# Altium PCB PCB_Ruler_v2.0.PcbDoc (part 3 of 3)
Units mm, origin at the board's own origin, x right, y up, seen from the top; angles counter-clockwise.
Board outline 210.01 x 40 mm, 2 copper layers (Top Layer, Bottom Layer); 1 components, 0 nets, 962 pads, 0 vias.
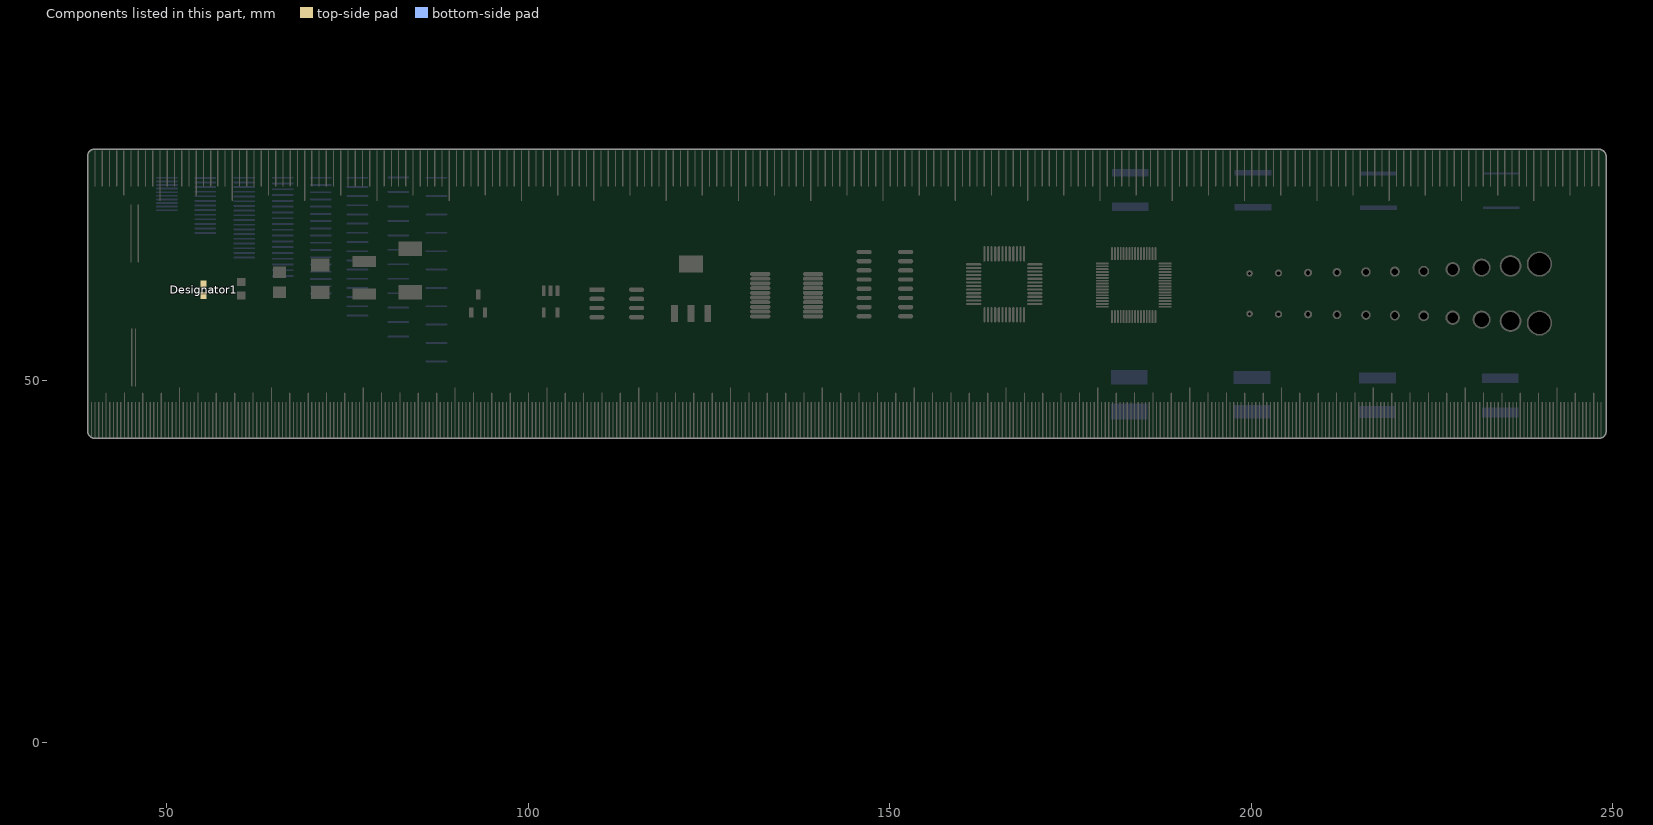
[diagram p3: the components of this part, seen from the top]

## Nets (pads, with @x,y where several pads share a name; then routed paths per layer and width w, separated by ;. In a path a pad name is that pad's centre, name@x,y a point inside that pad or via, vN(x,y) a via of type N, cw(c..) or ccw(c..) an arc to the next point about the centre after c; other vN are vias at no path point) (continued)
copper on no net: (continued)
  Bottom Layer w0.051: 145.034,69.961 145.238,69.961 ; 145.034,70.012 145.187,70.012 ; 145.034,73.568 145.441,73.568 ; 145.034,74.228 145.441,74.228 ; 145.085,70.062 145.187,70.062 ; 145.085,70.113 145.187,70.113 ; 145.085,70.164 145.187,70.164 ; 145.085,70.215 145.187,70.215 ; 145.085,70.266 145.187,70.266 ; 145.085,70.316 145.187,70.316 ; 145.085,70.367 145.238,70.367 ; 145.085,70.418 145.339,70.418 ; 145.085,72.298 145.238,72.298 ; 145.136,74.177 145.542,74.177 ; 145.187,72.247 145.441,72.247 ; 145.187,73.517 145.441,73.517 ; 145.187,74.126 145.695,74.126 ; 145.187,74.888 145.441,74.888 ; 145.238,71.891 145.441,71.891 ; 145.238,72.196 145.492,72.196 ; 145.238,72.755 145.441,72.755 ; 145.238,73.212 145.492,73.212 ; 145.238,73.466 145.441,73.466 ; 145.288,71.942 145.492,71.942 ; 145.288,73.415 145.492,73.415 ; 145.288,74.076 145.796,74.076 ; 145.339,69.961 145.593,69.961 ; 145.339,70.367 145.542,70.367 ; 145.339,71.993 145.593,71.993 ; 145.339,72.094 145.593,72.094 ; 145.339,72.145 145.593,72.145 ; 145.339,73.263 145.492,73.263 ; 145.339,73.314 145.492,73.314 ; 145.339,73.364 145.492,73.364 ; 145.339,74.838 145.542,74.838 ; 145.39,70.012 145.542,70.012 ; 145.39,70.062 145.542,70.062 ; 145.39,70.113 145.542,70.113 ; 145.39,70.164 145.542,70.164 ; 145.39,70.215 145.542,70.215 ; 145.39,70.266 145.542,70.266 ; 145.39,70.316 145.542,70.316 ; 145.39,70.418 145.542,70.418 ; 145.39,70.469 145.542,70.469 ; 145.39,70.52 145.542,70.52 ; 145.39,70.57 145.542,70.57 ; 145.39,70.621 145.542,70.621 ; 145.39,70.672 145.542,70.672 ; 145.39,70.723 145.593,70.723 ; 145.39,70.774 145.492,70.774 ; 145.39,72.044 145.644,72.044 ; 145.39,74.025 145.898,74.025 ; 145.441,73.974 146,73.974 ; 145.492,74.787 145.593,74.787 ; 145.542,73.923 146.152,73.923 ; 145.593,73.872 146.254,73.872 ; 145.695,70.012 145.847,70.012 ; 145.695,70.062 145.796,70.062 ; 145.695,70.113 145.746,70.113 ; 145.695,70.52 145.746,70.52 ; 145.695,70.57 145.746,70.57 ; 145.695,70.621 145.796,70.621 ; 145.695,70.672 145.847,70.672 ; 145.695,73.822 146.355,73.822 ; 145.746,69.961 146.101,69.961 ; 145.746,73.771 146.508,73.771 ; 145.796,70.723 146.101,70.723 ; 145.796,73.72 146.558,73.72 ; 145.847,73.669 146.508,73.669 ; 145.949,73.618 146.457,73.618 ; 146.05,70.012 146.203,70.012 ; 146.05,73.568 146.355,73.568 ; 146.101,70.672 146.203,70.672 ; 146.152,70.062 146.304,70.062 ; 146.152,70.113 146.304,70.113 ; 146.152,70.621 146.304,70.621 ; 146.203,70.164 146.355,70.164 ; 146.203,70.215 146.355,70.215 ; 146.203,70.52 146.355,70.52 ; 146.203,70.57 146.304,70.57 ; 146.254,70.266 146.406,70.266 ; 146.254,70.316 146.406,70.316 ; 146.254,70.367 146.406,70.367 ; 146.254,70.418 146.406,70.418 ; 146.254,70.469 146.355,70.469 ; 147.422,72.907 147.524,72.907 ; 147.422,72.958 147.524,72.958 ; 147.422,73.009 147.524,73.009 ; 147.422,73.06 147.524,73.06 ; 147.422,73.11 147.524,73.11 ; 147.473,72.399 147.574,72.399 ; 147.473,72.45 147.574,72.45 ; 147.473,72.501 147.574,72.501 ; 147.473,72.552 147.574,72.552 ; 147.473,72.602 147.574,72.602 ; 147.473,72.653 147.524,72.653 ; 147.473,72.704 147.524,72.704 ; 147.473,72.755 147.524,72.755 ; 147.473,72.806 147.524,72.806 ; 147.473,72.856 147.524,72.856 ; 147.473,73.161 147.524,73.161 ; 147.473,73.212 147.524,73.212 ; 147.473,73.263 147.524,73.263 ; 147.473,73.314 147.524,73.314 ; 147.473,73.364 147.524,73.364 ; 147.473,73.415 147.574,73.415 ; 147.473,73.466 147.574,73.466 ; 147.473,73.517 147.574,73.517 ; 147.473,73.568 147.574,73.568 ; 147.473,73.618 147.574,73.618 ; 147.524,72.196 147.625,72.196 ; 147.524,72.247 147.625,72.247 ; 147.524,72.298 147.625,72.298 ; 147.524,72.348 147.574,72.348 ; 147.524,73.669 147.574,73.669 ; 147.524,73.72 147.625,73.72 ; 147.524,73.771 147.625,73.771 ; 147.524,73.822 147.625,73.822 ; 147.574,71.993 147.676,71.993 ; 147.574,72.044 147.676,72.044 ; 147.574,72.094 147.676,72.094 ; 147.574,72.145 147.625,72.145 ; 147.574,73.872 147.625,73.872 ; 147.574,73.923 147.676,73.923 ; 147.574,73.974 147.676,73.974 ; 147.574,74.025 147.676,74.025 ; 147.625,71.84 147.727,71.84 ; 147.625,71.891 147.727,71.891 ; 147.625,71.942 147.676,71.942 ; 147.625,74.076 147.676,74.076 ; 147.625,74.126 147.727,74.126 ; 147.625,74.177 147.727,74.177 ; 147.676,71.688 147.778,71.688 ; 147.676,71.739 147.778,71.739 ; 147.676,71.79 147.778,71.79 ; 147.676,74.228 147.778,74.228 ; 147.676,74.279 147.778,74.279 ; 147.676,74.33 147.778,74.33 ; 147.727,71.586 147.828,71.586 ; 147.727,71.637 147.828,71.637 ; 147.727,74.38 147.828,74.38 ; 147.727,74.431 147.828,74.431 ; 147.778,71.485 147.879,71.485 ; 147.778,71.536 147.879,71.536 ; 147.778,74.482 147.879,74.482 ; 147.778,74.533 147.879,74.533 ; 147.828,71.383 147.93,71.383 ; 147.828,71.434 147.93,71.434 ; 147.828,74.584 147.93,74.584 ; 147.828,74.634 147.93,74.634 ; 147.879,71.282 147.981,71.282 ; 147.879,71.332 147.981,71.332 ; 147.879,72.856 147.981,72.856 ; 147.879,73.009 148.133,73.009 ; 147.879,73.263 148.133,73.263 ; 147.879,74.685 147.981,74.685 ; 147.879,74.736 147.981,74.736 ; 147.93,71.18 148.032,71.18 ; 147.93,71.231 148.032,71.231 ; 147.93,72.45 148.032,72.45 ; 147.93,72.704 147.981,72.704 ; 147.93,73.568 148.032,73.568 ; 147.93,73.618 147.981,73.618 ; 147.93,74.787 148.032,74.787 ; 147.93,74.838 148.032,74.838 ; 147.981,71.078 148.133,71.078 ; 147.981,71.129 148.082,71.129 ; 147.981,72.247 148.133,72.247 ; 147.981,72.653 148.032,72.653 ; 147.981,72.907 148.032,72.907 ; 147.981,73.72 148.082,73.72 ; 147.981,74.888 148.082,74.888 ; 147.981,74.939 148.133,74.939 ; 148.032,71.028 148.133,71.028 ; 148.032,71.993 148.286,71.993 ; 148.032,72.602 148.133,72.602 ; 148.032,72.856 148.082,72.856 ; 148.032,73.517 148.082,73.517 ; 148.032,74.025 148.082,74.025 ; 148.032,74.99 148.133,74.99 ; 148.082,70.926 148.235,70.926 ; 148.082,70.977 148.184,70.977 ; 148.082,71.84 148.133,71.84 ; 148.082,72.806 148.133,72.806 ; 148.082,73.466 148.133,73.466 ; 148.082,73.923 148.133,73.923 ; 148.082,73.974 148.133,73.974 ; 148.082,74.177 148.133,74.177 ; 148.082,75.041 148.184,75.041 ; 148.082,75.092 148.235,75.092 ; 148.133,70.875 148.235,70.875 ; 148.133,72.501 148.184,72.501 ; 148.133,73.669 148.184,73.669 ; 148.133,73.822 148.184,73.822 ; 148.133,73.872 148.184,73.872 ; 148.133,75.142 148.235,75.142 ; 148.184,70.824 148.286,70.824 ; 148.184,72.298 148.235,72.298 ; 148.184,74.33 148.286,74.33 ; 148.184,74.38 148.235,74.38 ; 148.184,75.193 148.286,75.193 ; 148.235,70.723 148.387,70.723 ; 148.235,70.774 148.336,70.774 ; 148.235,71.485 148.489,71.485 ; 148.235,71.688 148.895,71.688 ; 148.235,75.244 148.336,75.244 ; 148.235,75.295 148.387,75.295 ; 148.286,70.672 148.438,70.672 ; 148.286,75.346 148.438,75.346 ; 148.336,70.621 148.489,70.621 ; 148.336,74.279 148.387,74.279 ; 148.336,75.396 148.489,75.396 ; 148.387,70.57 148.54,70.57 ; 148.387,71.231 149.251,71.231 ; 148.387,71.434 149.048,71.434 ; 148.387,74.533 148.438,74.533 ; 148.387,74.584 148.438,74.584 ; 148.387,74.634 148.438,74.634 ; 148.387,75.447 148.54,75.447 ; 148.438,70.52 148.54,70.52 ; 148.438,74.482 148.489,74.482 ; 148.438,75.498 148.54,75.498 ; 148.489,70.469 148.641,70.469 ; 148.489,72.602 149.759,72.602 ; 148.489,72.653 149.759,72.653 ; 148.489,72.704 149.759,72.704 ; 148.489,72.755 149.759,72.755 ; 148.489,72.806 149.759,72.806 ; 148.489,72.856 149.759,72.856 ; 148.489,72.907 149.759,72.907 ; 148.489,72.958 149.759,72.958 ; 148.489,73.009 149.759,73.009 ; 148.489,73.06 149.759,73.06 ; 148.489,73.11 149.759,73.11 ; 148.489,73.161 149.759,73.161 ; 148.489,73.212 149.759,73.212 ; 148.489,73.263 149.759,73.263 ; 148.489,73.314 149.759,73.314 ; 148.489,73.364 149.759,73.364 ; 148.489,73.415 149.759,73.415 ; 148.489,74.838 148.54,74.838 ; 148.489,75.549 148.641,75.549 ; 148.54,70.418 148.692,70.418 ; 148.54,71.637 148.946,71.637 ; 148.54,72.399 149.759,72.399 ; 148.54,72.45 149.759,72.45 ; 148.54,72.501 149.759,72.501 ; 148.54,72.552 149.759,72.552 ; 148.54,73.466 149.759,73.466 ; 148.54,73.517 149.759,73.517 ; 148.54,73.568 149.759,73.568 ; 148.54,73.618 149.759,73.618 ; 148.54,74.685 148.59,74.685 ; 148.54,75.6 148.692,75.6 ; 148.59,70.367 148.743,70.367 ; 148.59,71.18 149.302,71.18 ; 148.59,72.196 149.759,72.196 ; 148.59,72.247 149.759,72.247 ; 148.59,72.298 149.759,72.298 ; 148.59,72.348 149.759,72.348 ; 148.59,73.669 149.759,73.669 ; 148.59,73.72 149.759,73.72 ; 148.59,73.771 149.759,73.771 ; 148.59,73.822 149.759,73.822 ; 148.59,75.65 148.743,75.65 ; 148.641,70.316 148.794,70.316 ; 148.641,72.044 150.064,72.044 ; 148.641,72.094 149.759,72.094 ; 148.641,72.145 149.759,72.145 ; 148.641,73.872 149.759,73.872 ; 148.641,73.923 149.759,73.923 ; 148.641,73.974 149.759,73.974 ; 148.641,75.041 148.692,75.041 ; 148.641,75.701 148.794,75.701 ; 148.692,70.266 148.844,70.266 ; 148.692,71.942 149.708,71.942 ; 148.692,71.993 149.911,71.993 ; 148.692,74.025 149.81,74.025 ; 148.692,74.076 149.911,74.076 ; 148.692,74.99 148.794,74.99 ; 148.692,75.752 148.844,75.752 ; 148.743,70.215 148.895,70.215 ; 148.743,71.84 149.352,71.84 ; 148.743,71.891 149.556,71.891 ; 148.743,74.126 150.216,74.126 ; 148.743,74.177 150.267,74.177 ; 148.743,74.939 148.844,74.939 ; 148.743,75.803 148.895,75.803 ; 148.794,71.739 148.895,71.739 ; 148.794,71.79 149.149,71.79 ; 148.794,74.228 150.724,74.228 ; 148.794,74.279 150.724,74.279 ; 148.844,70.164 148.997,70.164 ; 148.844,74.33 150.724,74.33 ; 148.844,75.041 148.895,75.041 ; 148.844,75.092 148.895,75.092 ; 148.844,75.142 148.895,75.142 ; 148.844,75.193 148.895,75.193 ; 148.844,75.244 148.895,75.244 ; 148.844,75.295 148.946,75.295 ; 148.844,75.854 148.997,75.854 ; 148.895,70.113 149.048,70.113 ; 148.895,71.586 149.352,71.586 ; 148.895,74.38 150.724,74.38 ; 148.895,74.431 150.724,74.431 ; 148.895,75.904 149.048,75.904 ; 148.946,70.062 149.098,70.062 ; 148.946,71.485 149.048,71.485 ; 148.946,71.536 149.149,71.536 ; 148.946,74.482 150.724,74.482 ; 148.946,75.955 149.098,75.955 ; 148.997,74.533 150.724,74.533 ; 148.997,74.584 150.724,74.584 ; 149.048,70.012 149.2,70.012 ; 149.048,70.52 149.149,70.52 ; 149.048,71.383 149.556,71.383 ; 149.048,74.634 150.724,74.634 ; 149.048,75.447 149.149,75.447 ; 149.048,75.498 149.098,75.498 ; 149.048,76.006 149.2,76.006 ; 149.098,69.961 149.302,69.961 ; 149.098,70.266 149.2,70.266 ; 149.098,70.316 149.149,70.316 ; 149.098,70.469 149.251,70.469 ; 149.098,70.723 149.556,70.723 ; 149.098,71.332 149.352,71.332 ; 149.098,71.637 149.556,71.637 ; 149.098,74.685 150.724,74.685 ; 149.098,75.396 149.149,75.396 ; 149.098,76.057 149.302,76.057 ; 149.149,70.418 149.251,70.418 ; 149.149,70.672 149.2,70.672 ; 149.149,71.282 149.251,71.282 ; 149.149,74.736 150.724,74.736 ; 149.149,75.346 149.2,75.346 ; 149.2,69.91 149.352,69.91 ; 149.2,70.621 149.251,70.621 ; 149.2,74.787 150.724,74.787 ; 149.2,76.108 149.352,76.108 ; 149.251,70.367 149.302,70.367 ; 149.251,70.52 149.352,70.52 ; 149.251,70.57 149.302,70.57 ; 149.251,70.672 149.302,70.672 ; 149.251,70.774 149.302,70.774 ; 149.251,74.838 152.858,74.838 ; 149.251,75.396 149.302,75.396 ; 149.251,75.447 149.302,75.447 ; 149.251,75.498 149.302,75.498 ; 149.251,75.549 149.302,75.549 ; 149.251,75.6 149.302,75.6 ; 149.302,69.859 149.454,69.859 ; 149.302,70.875 149.352,70.875 ; 149.302,70.926 149.352,70.926 ; 149.302,71.129 150.368,71.129 ; 149.302,71.434 149.759,71.434 ; 149.302,74.888 152.807,74.888 ; 149.302,76.158 149.454,76.158 ; 149.352,69.808 149.556,69.808 ; 149.352,70.57 149.403,70.57 ; 149.352,70.621 149.454,70.621 ; 149.352,70.774 149.505,70.774 ; 149.352,70.824 149.454,70.824 ; 149.352,71.078 150.419,71.078 ; 149.352,71.18 150.318,71.18 ; 149.352,71.688 149.708,71.688 ; 149.352,74.939 152.756,74.939 ; 149.352,75.701 149.403,75.701 ; 149.352,76.209 149.556,76.209 ; 149.403,70.469 149.454,70.469 ; 149.403,70.52 149.454,70.52 ; 149.403,70.672 149.505,70.672 ; 149.403,71.028 150.47,71.028 ; 149.403,74.99 152.705,74.99 ; 149.454,69.758 149.657,69.758 ; 149.454,70.977 150.572,70.977 ; 149.454,75.041 152.654,75.041 ; 149.454,76.26 149.657,76.26 ; 149.505,71.485 149.962,71.485 ; 149.505,75.803 149.556,75.803 ; 149.556,69.707 149.81,69.707 ; 149.556,70.926 150.622,70.926 ; 149.556,71.231 150.572,71.231 ; 149.556,71.739 149.911,71.739 ; 149.556,75.092 152.604,75.092 ; 149.556,75.701 149.606,75.701 ; 149.556,75.752 149.606,75.752 ; 149.556,76.311 149.81,76.311 ; 149.606,70.875 150.775,70.875 ; 149.606,75.142 152.502,75.142 ; 149.606,75.6 149.657,75.6 ; 149.606,75.65 149.657,75.65 ; 149.657,70.113 149.759,70.113 ; 149.657,75.803 149.708,75.803 ; 149.657,75.854 149.708,75.854 ; 149.708,69.656 149.962,69.656 ; 149.708,70.824 150.927,70.824 ; 149.708,71.282 150.521,71.282 ; 149.708,71.536 150.114,71.536 ; 149.708,75.193 152.451,75.193 ; 149.708,75.701 149.759,75.701 ; 149.708,76.362 149.962,76.362 ; 149.759,70.774 152.35,70.774 ; 149.759,71.79 150.064,71.79 ; 149.759,75.244 152.35,75.244 ; 149.759,75.904 149.81,75.904 ; 149.81,69.605 150.114,69.605 ; 149.81,75.803 149.86,75.803 ; 149.81,75.854 149.86,75.854 ; 149.81,76.412 150.114,76.412 ; 149.86,70.164 149.962,70.164 ; 149.86,70.316 150.013,70.316 ; 149.86,70.723 152.248,70.723 ; 149.86,75.295 152.248,75.295 ; 149.86,75.701 149.911,75.701 ; 149.86,75.752 149.911,75.752 ; 149.911,70.012 149.962,70.012 ; 149.911,70.113 149.962,70.113 ; 149.911,70.215 150.013,70.215 ; 149.911,70.266 150.013,70.266 ; 149.911,71.332 150.47,71.332 ; 149.911,71.586 150.267,71.586 ; 149.911,71.84 150.216,71.84 ; 149.911,72.094 150.216,72.094 ; 149.962,69.554 150.318,69.554 ; 149.962,70.367 150.013,70.367 ; 149.962,70.418 150.064,70.418 ; 149.962,70.672 152.146,70.672 ; 149.962,75.346 152.146,75.346 ; 149.962,76.463 150.318,76.463 ; 150.013,75.955 150.064,75.955 ; 150.064,70.621 152.045,70.621 ; 150.064,71.383 150.775,71.383 ; 150.064,71.637 150.47,71.637 ; 150.064,71.891 150.368,71.891 ; 150.064,72.145 150.368,72.145 ; 150.064,75.396 152.045,75.396 ; 150.064,75.854 150.114,75.854 ; 150.064,75.904 150.114,75.904 ; 150.064,76.006 150.114,76.006 ; 150.114,72.196 150.216,72.196 ; 150.114,72.247 150.216,72.247 ; 150.114,72.298 150.216,72.298 ; 150.114,72.348 150.216,72.348 ; 150.114,72.399 150.216,72.399 ; 150.114,72.45 150.216,72.45 ; 150.114,72.501 150.216,72.501 ; 150.114,72.552 150.216,72.552 ; 150.114,72.602 150.216,72.602 ; 150.114,72.653 150.216,72.653 ; 150.114,72.704 150.216,72.704 ; 150.114,72.755 150.216,72.755 ; 150.114,72.806 150.216,72.806 ; 150.114,72.856 150.216,72.856 ; 150.114,72.907 150.216,72.907 ; 150.114,72.958 150.216,72.958 ; 150.114,73.009 150.216,73.009 ; 150.114,73.06 150.216,73.06 ; 150.114,73.11 150.216,73.11 ; 150.114,73.161 150.216,73.161 ; 150.114,73.212 150.216,73.212 ; 150.114,73.263 150.216,73.263 ; 150.114,73.314 150.216,73.314 ; 150.114,73.364 150.216,73.364 ; 150.114,73.415 150.216,73.415 ; 150.114,73.466 150.216,73.466 ; 150.114,73.517 150.216,73.517 ; 150.114,73.568 150.216,73.568 ; 150.114,73.618 150.216,73.618 ; 150.114,73.669 150.216,73.669 ; 150.114,73.72 150.216,73.72 ; 150.114,73.771 150.216,73.771 ; 150.114,73.822 150.216,73.822 ; 150.114,73.872 150.216,73.872 ; 150.114,73.923 150.216,73.923 ; 150.114,73.974 150.216,73.974 ; 150.114,74.025 150.216,74.025 ; 150.114,74.076 150.216,74.076 ; 150.165,69.504 150.622,69.504 ; 150.165,76.514 150.622,76.514 ; 150.216,70.57 151.892,70.57 ; 150.216,71.434 150.724,71.434 ; 150.216,71.942 151.334,71.942 ; 150.216,75.447 151.892,75.447 ; 150.216,76.006 150.267,76.006 ; 150.216,76.057 150.267,76.057 ; 150.267,71.688 151.384,71.688 ; 150.267,75.854 150.318,75.854 ; 150.267,75.904 150.318,75.904 ; 150.267,75.955 150.318,75.955 ; 150.318,72.196 150.724,72.196 ; 150.368,69.453 151.74,69.453 ; 150.368,70.52 151.74,70.52 ; 150.368,71.18 150.673,71.18 ; 150.368,75.498 151.74,75.498 ; 150.368,76.565 151.74,76.565 ; 150.419,71.485 151.486,71.485 ; 150.419,71.993 151.13,71.993 ; 150.419,72.247 151.638,72.247 ; 150.419,72.298 151.232,72.298 ; 150.419,72.348 151.08,72.348 ; 150.419,72.399 150.978,72.399 ; 150.419,72.45 150.927,72.45 ; 150.419,72.501 150.876,72.501 ; 150.419,72.552 150.826,72.552 ; 150.419,72.602 150.775,72.602 ; 150.419,72.653 150.775,72.653 ; 150.419,72.704 150.724,72.704 ; 150.419,72.755 150.724,72.755 ; 150.419,72.806 150.724,72.806 ; 150.419,72.856 150.724,72.856 ; 150.419,72.907 150.724,72.907 ; 150.419,72.958 150.724,72.958 ; 150.419,73.009 150.724,73.009 ; 150.419,73.06 150.724,73.06 ; 150.419,73.11 150.724,73.11 ; 150.419,73.161 150.724,73.161 ; 150.419,73.212 150.724,73.212 ; 150.419,73.263 150.724,73.263 ; 150.419,73.314 150.724,73.314 ; 150.419,73.364 150.724,73.364 ; 150.419,73.415 150.724,73.415 ; 150.419,73.466 150.724,73.466 ; 150.419,73.517 150.724,73.517 ; 150.419,73.568 150.724,73.568 ; 150.419,73.618 150.724,73.618 ; 150.419,73.669 150.724,73.669 ; 150.419,73.72 150.724,73.72 ; 150.419,73.771 150.724,73.771 ; 150.419,73.822 150.724,73.822 ; 150.419,73.872 150.724,73.872 ; 150.419,73.923 150.724,73.923 ; 150.419,73.974 150.724,73.974 ; 150.419,74.025 150.724,74.025 ; 150.419,74.076 150.724,74.076 ; 150.419,74.126 150.724,74.126 ; 150.419,74.177 150.724,74.177 ; 150.419,75.955 150.47,75.955 ; 150.47,69.758 150.521,69.758 ; 150.47,69.808 150.521,69.808 ; 150.47,69.859 150.521,69.859 ; 150.47,69.91 150.521,69.91 ; 150.47,69.961 150.521,69.961 ; 150.47,70.012 150.521,70.012 ; 150.47,70.062 150.521,70.062 ; 150.47,71.129 150.775,71.129 ; 150.47,71.739 151.181,71.739 ; 150.47,76.006 150.521,76.006 ; 150.47,76.057 150.521,76.057 ; 150.521,70.113 150.572,70.113 ; 150.521,76.108 150.622,76.108 ; 150.572,69.859 150.724,69.859 ; 150.572,69.91 150.622,69.91 ; 150.572,70.012 150.673,70.012 ; 150.572,70.215 150.775,70.215 ; 150.572,70.266 150.724,70.266 ; 150.572,70.469 151.537,70.469 ; 150.572,71.332 150.927,71.332 ; 150.572,75.549 151.537,75.549 ; 150.572,76.158 150.622,76.158 ; 150.622,69.808 150.673,69.808 ; 150.622,69.961 150.673,69.961 ; 150.622,70.062 150.775,70.062 ; 150.622,70.113 150.775,70.113 ; 150.622,70.164 150.826,70.164 ; 150.622,71.078 150.927,71.078 ; 150.622,71.536 151.283,71.536 ; 150.673,69.91 150.724,69.91 ; 150.673,70.316 150.724,70.316 ; 150.673,71.282 151.588,71.282 ; 150.724,69.961 150.826,69.961 ; 150.724,70.012 150.775,70.012 ; 150.724,75.955 150.775,75.955 ; 150.724,76.006 150.775,76.006 ; 150.724,76.057 150.826,76.057 ; 150.775,69.402 151.384,69.402 ; 150.775,69.758 150.826,69.758 ; 150.775,69.808 150.826,69.808 ; 150.775,69.859 150.826,69.859 ; 150.775,69.91 150.826,69.91 ; 150.775,72.196 151.638,72.196 ; 150.775,76.108 150.826,76.108 ; 150.775,76.158 150.826,76.158 ; 150.775,76.616 151.384,76.616 ; 150.826,71.028 151.588,71.028 ; 150.826,74.787 152.908,74.787 ; 150.876,71.434 151.334,71.434 ; 150.927,74.736 152.959,74.736 ; 150.978,71.231 151.435,71.231 ; 151.029,74.685 153.01,74.685 ; 151.08,71.891 151.486,71.891 ; 151.08,72.602 151.181,72.602 ; 151.08,72.653 151.181,72.653 ; 151.08,72.704 151.181,72.704 ; 151.08,72.755 151.181,72.755 ; 151.08,72.806 151.181,72.806 ; 151.08,72.856 151.181,72.856 ; 151.08,72.907 151.181,72.907 ; 151.08,72.958 151.181,72.958 ; 151.08,73.009 151.181,73.009 ; 151.08,73.06 151.181,73.06 ; 151.08,73.11 151.181,73.11 ; 151.08,73.161 151.181,73.161 ; 151.08,73.212 151.181,73.212 ; 151.08,73.263 151.181,73.263 ; 151.08,73.314 151.181,73.314 ; 151.08,73.364 151.181,73.364 ; 151.08,73.415 151.181,73.415 ; 151.08,73.466 151.181,73.466 ; 151.08,73.517 151.181,73.517 ; 151.08,73.568 151.181,73.568 ; 151.08,73.618 151.181,73.618 ; 151.08,73.669 151.181,73.669 ; 151.08,73.72 151.181,73.72 ; 151.08,73.771 151.181,73.771 ; 151.08,73.822 151.181,73.822 ; 151.08,73.872 151.181,73.872 ; 151.08,73.923 151.181,73.923 ; 151.08,73.974 151.181,73.974 ; 151.08,74.025 151.181,74.025 ; 151.08,74.076 151.181,74.076 ; 151.08,74.126 151.181,74.126 ; 151.08,74.177 151.181,74.177 ; 151.08,74.228 151.181,74.228 ; 151.08,74.279 151.181,74.279 ; 151.08,74.33 151.181,74.33 ; 151.08,74.38 151.181,74.38 ; 151.08,74.431 151.181,74.431 ; 151.08,74.482 151.181,74.482 ; 151.08,74.533 151.181,74.533 ; 151.08,74.584 151.181,74.584 ; 151.08,74.634 153.061,74.634 ; 151.13,70.824 152.451,70.824 ; 151.13,71.637 151.486,71.637 ; 151.13,72.145 151.74,72.145 ; 151.13,72.552 151.232,72.552 ; 151.181,72.45 151.283,72.45 ; 151.181,72.501 151.232,72.501 ; 151.181,75.955 151.283,75.955 ; 151.181,76.057 151.283,76.057 ; 151.232,72.399 151.283,72.399 ; 151.232,74.584 153.112,74.584 ; 151.283,69.859 151.435,69.859 ; 151.283,71.586 151.842,71.586 ; 151.283,71.84 151.638,71.84 ; 151.283,72.348 151.334,72.348 ; 151.283,76.108 151.334,76.108 ; 151.283,76.158 151.384,76.158 ; 151.334,69.91 151.689,69.91 ; 151.334,71.078 151.791,71.078 ; 151.334,72.094 151.943,72.094 ; 151.334,72.298 151.384,72.298 ; 151.384,70.012 151.537,70.012 ; 151.384,70.062 151.537,70.062 ; 151.384,70.113 151.588,70.113 ; 151.384,71.536 151.689,71.536 ; 151.384,71.79 151.74,71.79 ; 151.384,72.552 151.689,72.552 ; 151.384,72.602 151.689,72.602 ; 151.384,72.653 151.689,72.653 ; 151.384,72.704 151.689,72.704 ; 151.384,72.755 151.689,72.755 ; 151.384,72.806 151.689,72.806 ; 151.384,72.856 151.689,72.856 ; 151.384,72.907 151.689,72.907 ; 151.384,72.958 151.689,72.958 ; 151.384,73.009 151.689,73.009 ; 151.384,73.06 151.689,73.06 ; 151.384,73.11 151.689,73.11 ; 151.384,73.161 151.689,73.161 ; 151.384,73.212 151.689,73.212 ; 151.384,73.263 151.689,73.263 ; 151.384,73.314 151.689,73.314 ; 151.384,73.364 151.689,73.364 ; 151.384,73.415 151.689,73.415 ; 151.384,73.466 151.689,73.466 ; 151.384,73.517 151.689,73.517 ; 151.384,73.568 151.689,73.568 ; 151.384,73.618 151.689,73.618 ; 151.384,73.669 151.689,73.669 ; 151.384,73.72 151.689,73.72 ; 151.384,73.771 151.689,73.771 ; 151.384,73.822 151.689,73.822 ; 151.384,73.872 151.689,73.872 ; 151.384,73.923 151.689,73.923 ; 151.384,73.974 151.689,73.974 ; 151.384,74.025 151.689,74.025 ; 151.384,74.076 151.689,74.076 ; 151.384,74.126 151.689,74.126 ; 151.384,74.177 151.689,74.177 ; 151.384,74.228 153.315,74.228 ; 151.384,74.279 153.315,74.279 ; 151.384,74.33 153.264,74.33 ; 151.384,74.38 153.264,74.38 ; 151.384,74.431 153.213,74.431 ; 151.384,74.482 153.162,74.482 ; 151.384,74.533 153.162,74.533 ; 151.435,69.961 151.588,69.961 ; 151.435,71.332 151.74,71.332 ; 151.435,72.044 152.096,72.044 ; 151.435,72.348 151.689,72.348 ; 151.435,72.399 151.689,72.399 ; 151.435,72.45 151.689,72.45 ; 151.435,72.501 151.689,72.501 ; 151.435,76.006 151.486,76.006 ; 151.435,76.158 151.486,76.158 ; 151.486,69.504 151.943,69.504 ; 151.486,71.739 151.791,71.739 ; 151.486,72.298 151.689,72.298 ; 151.486,76.514 151.943,76.514 ; 151.537,71.688 151.892,71.688 ; 151.537,71.993 153.416,71.993 ; 151.588,70.875 152.502,70.875 ; 151.588,75.955 151.638,75.955 ; 151.638,71.129 151.943,71.129 ; 151.638,71.383 151.943,71.383 ; 151.638,71.637 151.994,71.637 ; 151.638,71.942 153.416,71.942 ; 151.638,76.006 151.689,76.006 ; 151.638,76.057 151.689,76.057 ; 151.689,69.859 151.791,69.859 ; 151.689,71.891 153.366,71.891 ; 151.74,75.904 151.791,75.904 ; 151.74,75.955 151.791,75.955 ; 151.74,76.006 151.791,76.006 ; 151.74,76.057 151.842,76.057 ; 151.791,69.554 152.146,69.554 ; 151.791,71.84 152.959,71.84 ; 151.791,76.463 152.146,76.463 ; 151.842,70.926 152.604,70.926 ; 151.842,71.18 152.146,71.18 ; 151.842,71.434 152.146,71.434 ; 151.842,71.79 152.654,71.79 ; 151.842,74.177 153.366,74.177 ; 151.892,71.739 152.4,71.739 ; 151.892,75.854 151.943,75.854 ; 151.943,71.688 152.197,71.688 ; 151.943,72.145 152.096,72.145 ; 151.943,75.904 151.994,75.904 ; 151.994,69.605 152.299,69.605 ; 151.994,70.418 152.248,70.418 ; 151.994,70.469 152.096,70.469 ; 151.994,70.977 152.654,70.977 ; 151.994,71.231 152.299,71.231 ; 151.994,72.196 152.096,72.196 ; 151.994,72.247 152.146,72.247 ; 151.994,72.298 152.146,72.298 ; 151.994,72.348 152.146,72.348 ; 151.994,72.399 152.146,72.399 ; 151.994,72.45 152.146,72.45 ; 151.994,72.501 152.146,72.501 ; 151.994,72.552 152.146,72.552 ; 151.994,72.602 152.146,72.602 ; 151.994,72.653 152.146,72.653 ; 151.994,72.704 152.146,72.704 ; 151.994,72.755 152.146,72.755 ; 151.994,72.806 152.146,72.806 ; 151.994,72.856 152.146,72.856 ; 151.994,72.907 152.146,72.907 ; 151.994,72.958 152.146,72.958 ; 151.994,73.009 152.146,73.009 ; 151.994,73.06 152.146,73.06 ; 151.994,73.11 152.146,73.11 ; 151.994,73.161 152.146,73.161 ; 151.994,73.212 152.146,73.212 ; 151.994,73.263 152.146,73.263 ; 151.994,73.314 152.146,73.314 ; 151.994,73.364 152.146,73.364 ; 151.994,73.415 152.146,73.415 ; 151.994,73.466 152.146,73.466 ; 151.994,73.517 152.146,73.517 ; 151.994,73.568 152.146,73.568 ; 151.994,74.126 153.366,74.126 ; 151.994,76.412 152.299,76.412 ; 152.045,70.266 152.299,70.266 ; 152.045,70.316 152.248,70.316 ; 152.045,70.52 152.096,70.52 ; 152.045,71.485 152.35,71.485 ; 152.045,73.618 152.146,73.618 ; 152.045,73.669 152.146,73.669 ; 152.045,73.72 152.146,73.72 ; 152.045,73.771 152.146,73.771 ; 152.045,73.822 152.146,73.822 ; 152.045,73.872 152.146,73.872 ; 152.045,73.923 152.146,73.923 ; 152.045,73.974 152.146,73.974 ; 152.045,74.025 152.146,74.025 ; 152.045,74.076 153.416,74.076 ; 152.096,70.164 152.299,70.164 ; 152.096,70.215 152.197,70.215 ; 152.096,70.367 152.146,70.367 ; 152.146,69.656 152.4,69.656 ; 152.146,75.752 152.197,75.752 ; 152.146,75.803 152.197,75.803 ; 152.146,76.362 152.4,76.362 ; 152.197,69.859 152.248,69.859 ; 152.197,70.062 152.299,70.062 ; 152.197,70.367 152.299,70.367 ; 152.197,71.028 152.705,71.028 ; 152.197,71.282 152.553,71.282 ; 152.197,72.044 153.467,72.044 ; 152.197,74.025 153.416,74.025 ; 152.197,75.854 152.248,75.854 ; 152.197,75.904 152.248,75.904 ; 152.197,75.955 152.248,75.955 ; 152.248,69.91 152.299,69.91 ; 152.248,69.961 152.299,69.961 ; 152.248,70.012 152.502,70.012 ; 152.248,70.113 152.299,70.113 ; 152.248,71.536 152.604,71.536 ; 152.299,69.707 152.553,69.707 ; 152.299,70.316 152.4,70.316 ; 152.299,72.094 153.467,72.094 ; 152.299,72.145 153.467,72.145 ; 152.299,75.803 152.35,75.803 ; 152.299,75.854 152.4,75.854 ; 152.299,76.311 152.553,76.311 ; 152.35,70.062 152.553,70.062 ; 152.35,70.215 152.4,70.215 ; 152.35,70.266 152.451,70.266 ; 152.35,71.078 152.756,71.078 ; 152.35,72.196 153.518,72.196 ; 152.35,72.247 153.518,72.247 ; 152.35,72.298 153.518,72.298 ; 152.35,72.348 153.569,72.348 ; 152.35,72.399 153.569,72.399 ; 152.35,72.45 153.569,72.45 ; 152.35,72.501 153.569,72.501 ; 152.35,72.552 153.62,72.552 ; 152.35,72.602 153.62,72.602 ; 152.35,72.653 153.62,72.653 ; 152.35,72.704 153.62,72.704 ; 152.35,72.755 153.62,72.755 ; 152.35,72.806 153.62,72.806 ; 152.35,72.856 153.62,72.856 ; 152.35,72.907 153.62,72.907 ; 152.35,72.958 153.62,72.958 ; 152.35,73.009 153.62,73.009 ; 152.35,73.06 153.62,73.06 ; 152.35,73.11 153.62,73.11 ; 152.35,73.161 153.62,73.161 ; 152.35,73.212 153.62,73.212 ; 152.35,73.263 153.62,73.263 ; 152.35,73.314 153.62,73.314 ; 152.35,73.364 153.62,73.364 ; 152.35,73.415 153.62,73.415 ; 152.35,73.466 153.62,73.466 ; 152.35,73.517 153.569,73.517 ; 152.35,73.568 153.569,73.568 ; 152.35,73.618 153.569,73.618 ; 152.35,73.669 153.569,73.669 ; 152.35,73.72 153.518,73.72 ; 152.35,73.771 153.518,73.771 ; 152.35,73.822 153.518,73.822 ; 152.35,73.872 153.467,73.872 ; 152.35,73.923 153.467,73.923 ; 152.35,73.974 153.467,73.974 ; 152.4,71.332 152.908,71.332 ; 152.451,69.758 152.654,69.758 ; 152.451,70.215 152.502,70.215 ; 152.451,71.586 153.01,71.586 ; 152.451,75.65 152.553,75.65 ; 152.451,76.26 152.654,76.26 ; 152.502,75.701 152.553,75.701 ; 152.553,69.808 152.756,69.808 ; 152.553,75.549 152.604,75.549 ; 152.553,76.209 152.756,76.209 ; 152.604,71.129 152.807,71.129 ; 152.604,71.383 153.061,71.383 ; 152.654,69.859 152.858,69.859 ; 152.654,70.824 152.807,70.824 ; 152.654,70.875 152.705,70.875 ; 152.654,71.637 153.264,71.637 ; 152.654,75.6 152.858,75.6 ; 152.654,76.158 152.858,76.158 ; 152.705,70.723 152.908,70.723 ; 152.756,69.91 152.908,69.91 ; 152.756,70.57 153.01,70.57 ; 152.756,70.621 152.807,70.621 ; 152.756,70.774 152.858,70.774 ; 152.756,76.108 152.908,76.108 ; 152.807,69.961 153.01,69.961 ; 152.807,71.434 153.112,71.434 ; 152.807,76.057 153.01,76.057 ; 152.858,70.672 152.959,70.672 ; 152.858,75.396 152.908,75.396 ; 152.908,70.012 153.112,70.012 ; 152.908,70.52 153.01,70.52 ; 152.908,70.621 153.061,70.621 ; 152.908,70.774 153.061,70.774 ; 152.908,71.231 153.62,71.231 ; 152.908,71.688 153.264,71.688 ; 152.908,75.447 152.959,75.447 ; 152.908,75.498 152.959,75.498 ; 152.908,76.006 153.112,76.006 ; 152.959,70.469 153.061,70.469 ; 152.959,71.282 153.416,71.282 ; 152.959,71.332 153.01,71.332 ; 152.959,75.244 153.061,75.244 ; 153.01,70.062 153.162,70.062 ; 153.01,70.316 153.061,70.316 ; 153.01,70.367 153.112,70.367 ; 153.01,70.418 153.162,70.418 ; 153.01,75.295 153.061,75.295 ; 153.01,75.955 153.162,75.955 ; 153.061,70.113 153.213,70.113 ; 153.061,75.346 153.112,75.346 ; 153.061,75.904 153.213,75.904 ; 153.112,71.485 153.721,71.485 ; 153.112,75.396 153.162,75.396 ; 153.162,70.164 153.315,70.164 ; 153.162,71.536 153.518,71.536 ; 153.162,71.586 153.213,71.586 ; 153.162,75.854 153.315,75.854 ; 153.213,70.215 153.366,70.215 ; 153.213,75.041 153.264,75.041 ; 153.213,75.803 153.366,75.803 ; 153.264,70.266 153.416,70.266 ; 153.264,71.739 153.772,71.739 ; 153.264,71.84 153.366,71.84 ; 153.264,75.092 153.315,75.092 ; 153.264,75.752 153.416,75.752 ; 153.315,70.316 153.467,70.316 ; 153.315,71.79 153.518,71.79 ; 153.315,75.142 153.366,75.142 ; 153.315,75.193 153.366,75.193 ; 153.315,75.701 153.467,75.701 ; 153.366,70.367 153.518,70.367 ; 153.366,74.838 153.416,74.838 ; 153.366,75.65 153.518,75.65 ; 153.416,74.888 153.467,74.888 ; 153.416,74.939 153.518,74.939 ; 153.467,70.418 153.569,70.418 ; 153.467,74.685 153.569,74.685 ; 153.467,75.6 153.569,75.6 ; 153.518,70.469 153.62,70.469 ; 153.518,74.736 153.62,74.736 ; 153.518,74.99 153.569,74.99 ; 153.518,75.549 153.62,75.549 ; 153.569,70.52 153.67,70.52 ; 153.569,75.498 153.67,75.498 ; 153.62,70.57 153.721,70.57 ; 153.62,74.787 153.67,74.787 ; 153.62,75.447 153.721,75.447 ; 153.67,70.621 153.772,70.621 ; 153.67,70.672 153.823,70.672 ; 153.67,74.431 153.772,74.431 ; 153.67,75.346 153.823,75.346 ; 153.67,75.396 153.772,75.396 ; 153.721,70.723 153.874,70.723 ; 153.721,74.279 153.874,74.279 ; 153.721,75.295 153.874,75.295 ; 153.772,70.774 153.924,70.774 ; 153.772,74.126 153.874,74.126 ; 153.772,75.244 153.924,75.244 ; 153.823,70.824 153.924,70.824 ; 153.823,71.688 153.924,71.688 ; 153.823,71.891 153.924,71.891 ; 153.823,71.942 153.874,71.942 ; 153.823,73.669 153.874,73.669 ; 153.823,75.193 153.924,75.193 ; 153.874,70.875 153.975,70.875 ; 153.874,72.196 154.026,72.196 ; 153.874,73.618 153.924,73.618 ; 153.874,73.822 153.975,73.822 ; 153.874,74.076 153.975,74.076 ; 153.874,74.33 153.924,74.33 ; 153.874,75.142 153.975,75.142 ; 153.924,70.926 154.026,70.926 ; 153.924,70.977 154.077,70.977 ; 153.924,72.399 154.026,72.399 ; 153.924,75.041 154.077,75.041 ; 153.924,75.092 154.026,75.092 ; 153.975,71.028 154.077,71.028 ; 153.975,71.891 154.026,71.891 ; 153.975,72.552 154.026,72.552 ; 153.975,73.364 154.077,73.364 ; 153.975,73.517 154.026,73.517 ; 153.975,73.72 154.128,73.72 ; 153.975,74.99 154.077,74.99 ; 154.026,71.078 154.128,71.078 ; 154.026,71.129 154.128,71.129 ; 154.026,72.044 154.077,72.044 ; 154.026,72.348 154.178,72.348 ; 154.026,72.501 154.178,72.501 ; 154.026,73.009 154.128,73.009 ; 154.026,73.06 154.077,73.06 ; 154.026,73.466 154.077,73.466 ; 154.026,73.872 154.128,73.872 ; 154.026,74.025 154.077,74.025 ; 154.026,74.888 154.128,74.888 ; 154.026,74.939 154.128,74.939 ; 154.077,71.18 154.178,71.18 ; 154.077,71.231 154.229,71.231 ; 154.077,72.145 154.128,72.145 ; 154.077,72.755 154.128,72.755 ; 154.077,72.958 154.178,72.958 ; 154.077,73.161 154.178,73.161 ; 154.077,74.787 154.229,74.787 ; 154.077,74.838 154.178,74.838 ; 154.128,71.282 154.229,71.282 ; 154.128,72.704 154.229,72.704 ; 154.128,72.907 154.229,72.907 ; 154.128,73.517 154.178,73.517 ; 154.128,74.736 154.229,74.736 ; 154.178,71.332 154.28,71.332 ; 154.178,71.383 154.28,71.383 ; 154.178,72.856 154.229,72.856 ; 154.178,73.212 154.229,73.212 ; 154.178,74.634 154.28,74.634 ; 154.178,74.685 154.28,74.685 ; 154.229,71.434 154.331,71.434 ; 154.229,71.485 154.331,71.485 ; 154.229,74.533 154.331,74.533 ; 154.229,74.584 154.331,74.584 ; 154.28,71.536 154.382,71.536 ; 154.28,71.586 154.382,71.586 ; 154.28,74.431 154.382,74.431 ; 154.28,74.482 154.382,74.482 ; 154.331,71.637 154.382,71.637 ; 154.331,71.688 154.432,71.688 ; 154.331,71.739 154.432,71.739 ; 154.331,74.279 154.432,74.279 ; 154.331,74.33 154.432,74.33 ; 154.331,74.38 154.382,74.38 ; 154.382,71.79 154.483,71.79 ; 154.382,71.84 154.483,71.84 ; 154.382,71.891 154.483,71.891 ; 154.382,74.126 154.483,74.126 ; 154.382,74.177 154.483,74.177 ; 154.382,74.228 154.483,74.228 ; 154.432,71.942 154.534,71.942 ; 154.432,71.993 154.534,71.993 ; 154.432,72.044 154.534,72.044 ; 154.432,73.974 154.534,73.974 ; 154.432,74.025 154.534,74.025 ; 154.432,74.076 154.534,74.076 ; 154.483,72.094 154.534,72.094 ; 154.483,72.145 154.585,72.145 ; 154.483,72.196 154.585,72.196 ; 154.483,72.247 154.585,72.247 ; 154.483,73.771 154.585,73.771 ; 154.483,73.822 154.585,73.822 ; 154.483,73.872 154.585,73.872 ; 154.483,73.923 154.534,73.923 ; 154.534,72.298 154.585,72.298 ; 154.534,72.348 154.636,72.348 ; 154.534,72.399 154.636,72.399 ; 154.534,72.45 154.636,72.45 ; 154.534,72.501 154.636,72.501 ; 154.534,72.552 154.636,72.552 ; 154.534,73.466 154.636,73.466 ; 154.534,73.517 154.636,73.517 ; 154.534,73.568 154.636,73.568 ; 154.534,73.618 154.636,73.618 ; 154.534,73.669 154.636,73.669 ; 154.534,73.72 154.585,73.72 ; 154.585,72.602 154.636,72.602 ; 154.585,72.653 154.636,72.653 ; 154.585,72.704 154.686,72.704 ; 154.585,72.755 154.686,72.755 ; 154.585,72.806 154.686,72.806 ; 154.585,72.856 154.686,72.856 ; 154.585,72.907 154.686,72.907 ; 154.585,72.958 154.686,72.958 ; 154.585,73.009 154.686,73.009 ; 154.585,73.06 154.686,73.06 ; 154.585,73.11 154.686,73.11 ; 154.585,73.161 154.686,73.161 ; 154.585,73.212 154.686,73.212 ; 154.585,73.263 154.686,73.263 ; 154.585,73.314 154.686,73.314 ; 154.585,73.364 154.636,73.364 ; 154.585,73.415 154.636,73.415

## Keep-outs
Keep-Out Layer:
  lines w0.254: 40.021,82.035 ccw(c40.021,81.109) 39.095,81.109 39.095,43.049 ccw(c40.095,43.049) 40.095,42.049 40.102,42.055 248.115,42.055 ; 40.021,82.042 248.063,82.042 cw(c248.063,80.996) 249.109,80.996 ; 248.115,42.045 ccw(c248.115,43.03) 249.1,43.03 249.1,80.996

## Other copper
Top Layer:
  text "0" at 40.1,72.085 h4
  text "1" at 50.4,72.085 h4
  text "CM" at 51.9,72.085 h2.2
  text "2" at 60.1,72.085 h4
  text "3" at 70.1,72.081 h4
  text "4" at 80.1,72.085 h4
  text "5" at 90.1,72.085 h4
  text "6" at 100.1,72.085 h4
  text "7" at 109.998,72.081 h4
  text "8" at 120.1,72.085 h4
  text "9" at 130.1,72.085 h4
  text "10" at 140.1,72.085 h4
  text "11" at 150.1,72.085 h4
  text "12" at 160.1,72.085 h4
  text "13" at 170.1,72.085 h4
  text "14" at 180.1,72.085 h4
  text "15" at 190.1,72.085 h4
  text "16" at 200.1,72.085 h4
  text "17" at 210.1,72.085 h4
  text "18" at 220.1,72.085 h4
  text "19" at 230.1,72.085 h4
  text "20" at 240.1,72.085 h4
  text "1mm" at 48.3,66.685 h2.2
  text "Φ" at 244.3,62.185 h4
  text "0.4" at 198.4,60.885 h3.5
  text "0.5" at 202.4,60.885 h3.5
  text "0.6" at 206.5,60.885 h3.5
  text "0.7" at 210.5,60.885 h3.5
  text "0.8" at 214.5,60.885 h3.5
  text "0.9" at 218.5,60.885 h3.5
  text "1.0" at 222.5,60.885 h3.5
  text "1.5" at 226.5,60.885 h3.5
  text "2.0" at 230.5,60.885 h3.5
  text "2.5" at 234.5,60.885 h3.5
  text "3.0" at 238.5,60.885 h3.5
  text "(" at 242.4,59.485 h3
  text "mm" at 243.6,59.485 h4
  text ")" at 248,59.485 h3
  text "0603" at 52.959,57.785 h3
  text "0805" at 58.166,57.785 h3
  text "1206" at 63.754,57.785 h3
  text "1210" at 69.723,57.785 h3
  text "1812" at 75.819,57.785 h3
  text "2512" at 82.042,57.785 h3
  text "20mil" at 48.3,55.623 h2.2
  text "SOT-23-3" at 89.408,54.48 h3
  text "SOT-23-5" at 99.187,54.48 h3
  text "SOP-8" at 109.728,54.48 h3
  text "SOT-223" at 119.126,54.48 h3
  text "SSOP-20" at 132.08,54.48 h3
  text "SOP-16" at 146.558,54.48 h3
  text "LQFP48" at 162.941,54.483 h3
  text "LQFP64" at 180.721,54.483 h3
  text "mil" at 71.04,52.675 h2.2
  text "1000" at 65.13,52.627 h4
  text "0" at 40.1,49.382 h4
  text "2" at 90.519,49.382 h4
  text "3" at 115.919,49.382 h4
  text "4" at 141.319,49.382 h4
  text "5" at 166.719,49.382 h4
  text "6" at 192.119,49.382 h4
  text "7" at 217.519,49.382 h4
  text "8" at 242.919,49.382 h4
  text "inch" at 66.47,49.275 h2.2
  text "1" at 65.095,49.26 h4
Bottom Layer:
  text "40mil" at 194.6,77.847 h4
  text "30mil" at 211.593,77.821 h4
  text "20mil" at 228.941,77.745 h4
  text "10mil" at 245.933,77.72 h4
  text "45mil" at 194.6,73.122 h4
  text "35mil" at 211.593,73.097 h4
  text "25mil" at 228.941,73.021 h4
  text "15mil" at 245.933,72.995 h4
  text "0.50mm" at 51.55,70.35 h3
  text "0.65mm" at 56.867,67.55 h3
  text "0.635mm" at 62.24,64.2 h3
  text "Φ" at 247,62.185 h4
  text "计算机科学与信息工程学院" at 166.2,61.485 h5
  text "0.80mm" at 67.633,61.4 h3
  text "0.4" at 201.2,60.885 h3.5
  text "0.5" at 205.2,60.885 h3.5
  text "0.6" at 209.4,60.885 h3.5
  text "0.7" at 213.3,60.885 h3.5
  text "0.8" at 217.4,60.885 h3.5
  text "0.9" at 221.4,60.885 h3.5
  text "1.0" at 224.8,60.885 h3.5
  text "1.5" at 228.7,60.885 h3.5
  text "2.0" at 233.3,60.885 h3.5
  text "2.5" at 237.3,60.885 h3.5
  text "3.0" at 241.4,60.885 h3.5
  text ")" at 242.9,59.485 h3
  text "mm" at 247.4,59.485 h4
  text "(" at 248.5,59.485 h3
  text "1.00mm" at 72.918,58.95 h3
  text "1.27mm" at 77.954,55.85 h3
  text "2013级电子信息工程专业" at 163.9,54.285 h5
  text "2.00mm" at 83.606,52.9 h3
  text "2.54mm" at 88.75,49.8 h3
  text "80mil" at 194.473,49.551 h4
  text "70mil" at 211.466,49.526 h4
  text "60mil" at 228.814,49.449 h4
  text "50mil" at 245.806,49.424 h4
  text "毕业留恋" at 145.7,46.985 h5
  text "85mil" at 194.473,44.827 h4
  text "75mil" at 211.466,44.801 h4
  text "65mil" at 228.814,44.725 h4
  text "55mil" at 245.806,44.7 h4
  text "hceng" at 58.05,44.2 h3
  text "design by:" at 67.85,44.15 h3
  text "& 小冲冲" at 52.4,44 h3
  text "2017.06" at 119.6,43.585 h4

## Silkscreen, mask and mechanical layers (free items; w line width, h text height)
Mechanical 13:
  circle w0.1: c104.116,61.252 r0.254
  circle w0.1: c120.019,61.722 r0.25
  circle w0.1: c111.252,62.484 r0.5
  circle w0.15: c148.336,67.691 r0.359
  circle w0.1: c134.013,64.549 r0.5
  circle w0.1: c181.169,60.646 r0.5
  circle w0.15: c163.262,60.773 r0.5
  lines w0.1: 91.591,60.056 94.591,60.056 94.591,61.356 91.591,61.356 91.591,60.056 ; 101.624,60.16 101.624,61.76 104.624,61.76 104.624,60.16 101.624,60.16 ; 110.468,58.206 114.068,58.206 114.068,63.206 110.468,63.206 110.468,58.206 ; 119.305,60.988 125.805,60.988 125.805,64.488 119.305,64.488 119.305,60.988 ; 133.113,58.674 138.413,58.674 138.413,65.278 133.113,65.278 133.113,58.674 ; 180.269,59.746 187.269,59.746 187.269,66.746 180.269,66.746 180.269,59.746
  lines w0.15: 147.552,58.293 147.552,68.453 151.152,68.453 151.152,58.293 147.552,58.293 ; 162.362,59.873 169.362,59.873 169.362,66.873 162.362,66.873 162.362,59.873
Mechanical 15:
  circle w0.05: c93.091,60.706 r0.35
  circle w0.05: c103.124,60.96 r0.35
  circle w0.05: c122.555,62.738 r0.35
  circle w0.05: c112.268,60.706 r0.35
  circle w0.05: c149.352,63.373 r0.35
  circle w0.05: c183.769,63.246 r0.35
  circle w0.05: c165.862,63.373 r0.35
  lines w0.05: 92.591,60.706 93.591,60.706 ; 93.091,60.206 93.091,61.206 ; 102.624,60.96 103.624,60.96 ; 103.124,60.46 103.124,61.46 ; 111.768,60.706 112.768,60.706 ; 112.268,60.206 112.268,61.206 ; 122.055,62.738 123.055,62.738 ; 122.555,62.238 122.555,63.238 ; 148.852,63.373 149.852,63.373 ; 149.352,62.873 149.352,63.873 ; 165.362,63.373 166.362,63.373 ; 165.862,62.873 165.862,63.873 ; 183.269,63.246 184.269,63.246 ; 183.769,62.746 183.769,63.746 ; 130.488,57.949 141.038,57.949 141.038,65.749 130.488,65.749 130.488,57.949
  lines w0.1: 76.835,64.262 77.851,64.262 ; 77.343,63.754 77.343,64.77 ; 135.263,61.849 136.263,61.849 ; 135.763,61.349 135.763,62.349 ; 91.491,58.547 94.691,58.547 94.691,62.865 91.491,62.865 91.491,58.547 ; 101.407,58.523 101.407,63.349 104.709,63.349 104.709,58.523 101.407,58.523 ; 108.204,58.039 116.332,58.039 116.332,63.373 108.204,63.373 108.204,58.039 ; 119.126,57.938 125.984,57.938 125.984,67.538 119.126,67.538 119.126,57.938 ; 145.034,58.039 153.67,58.039 153.67,68.707 145.034,68.707 145.034,58.039 ; 178.308,57.785 178.308,68.707 189.23,68.707 189.23,57.785 178.308,57.785
  lines w0.127: 70.739,64.135 71.755,64.135 ; 71.247,63.627 71.247,64.643
  lines w0.15: 160.274,57.785 171.45,57.785 171.45,68.961 160.274,68.961 160.274,57.785